# KiCad board 4servoboard-4x4.kicad_pcb (continued)
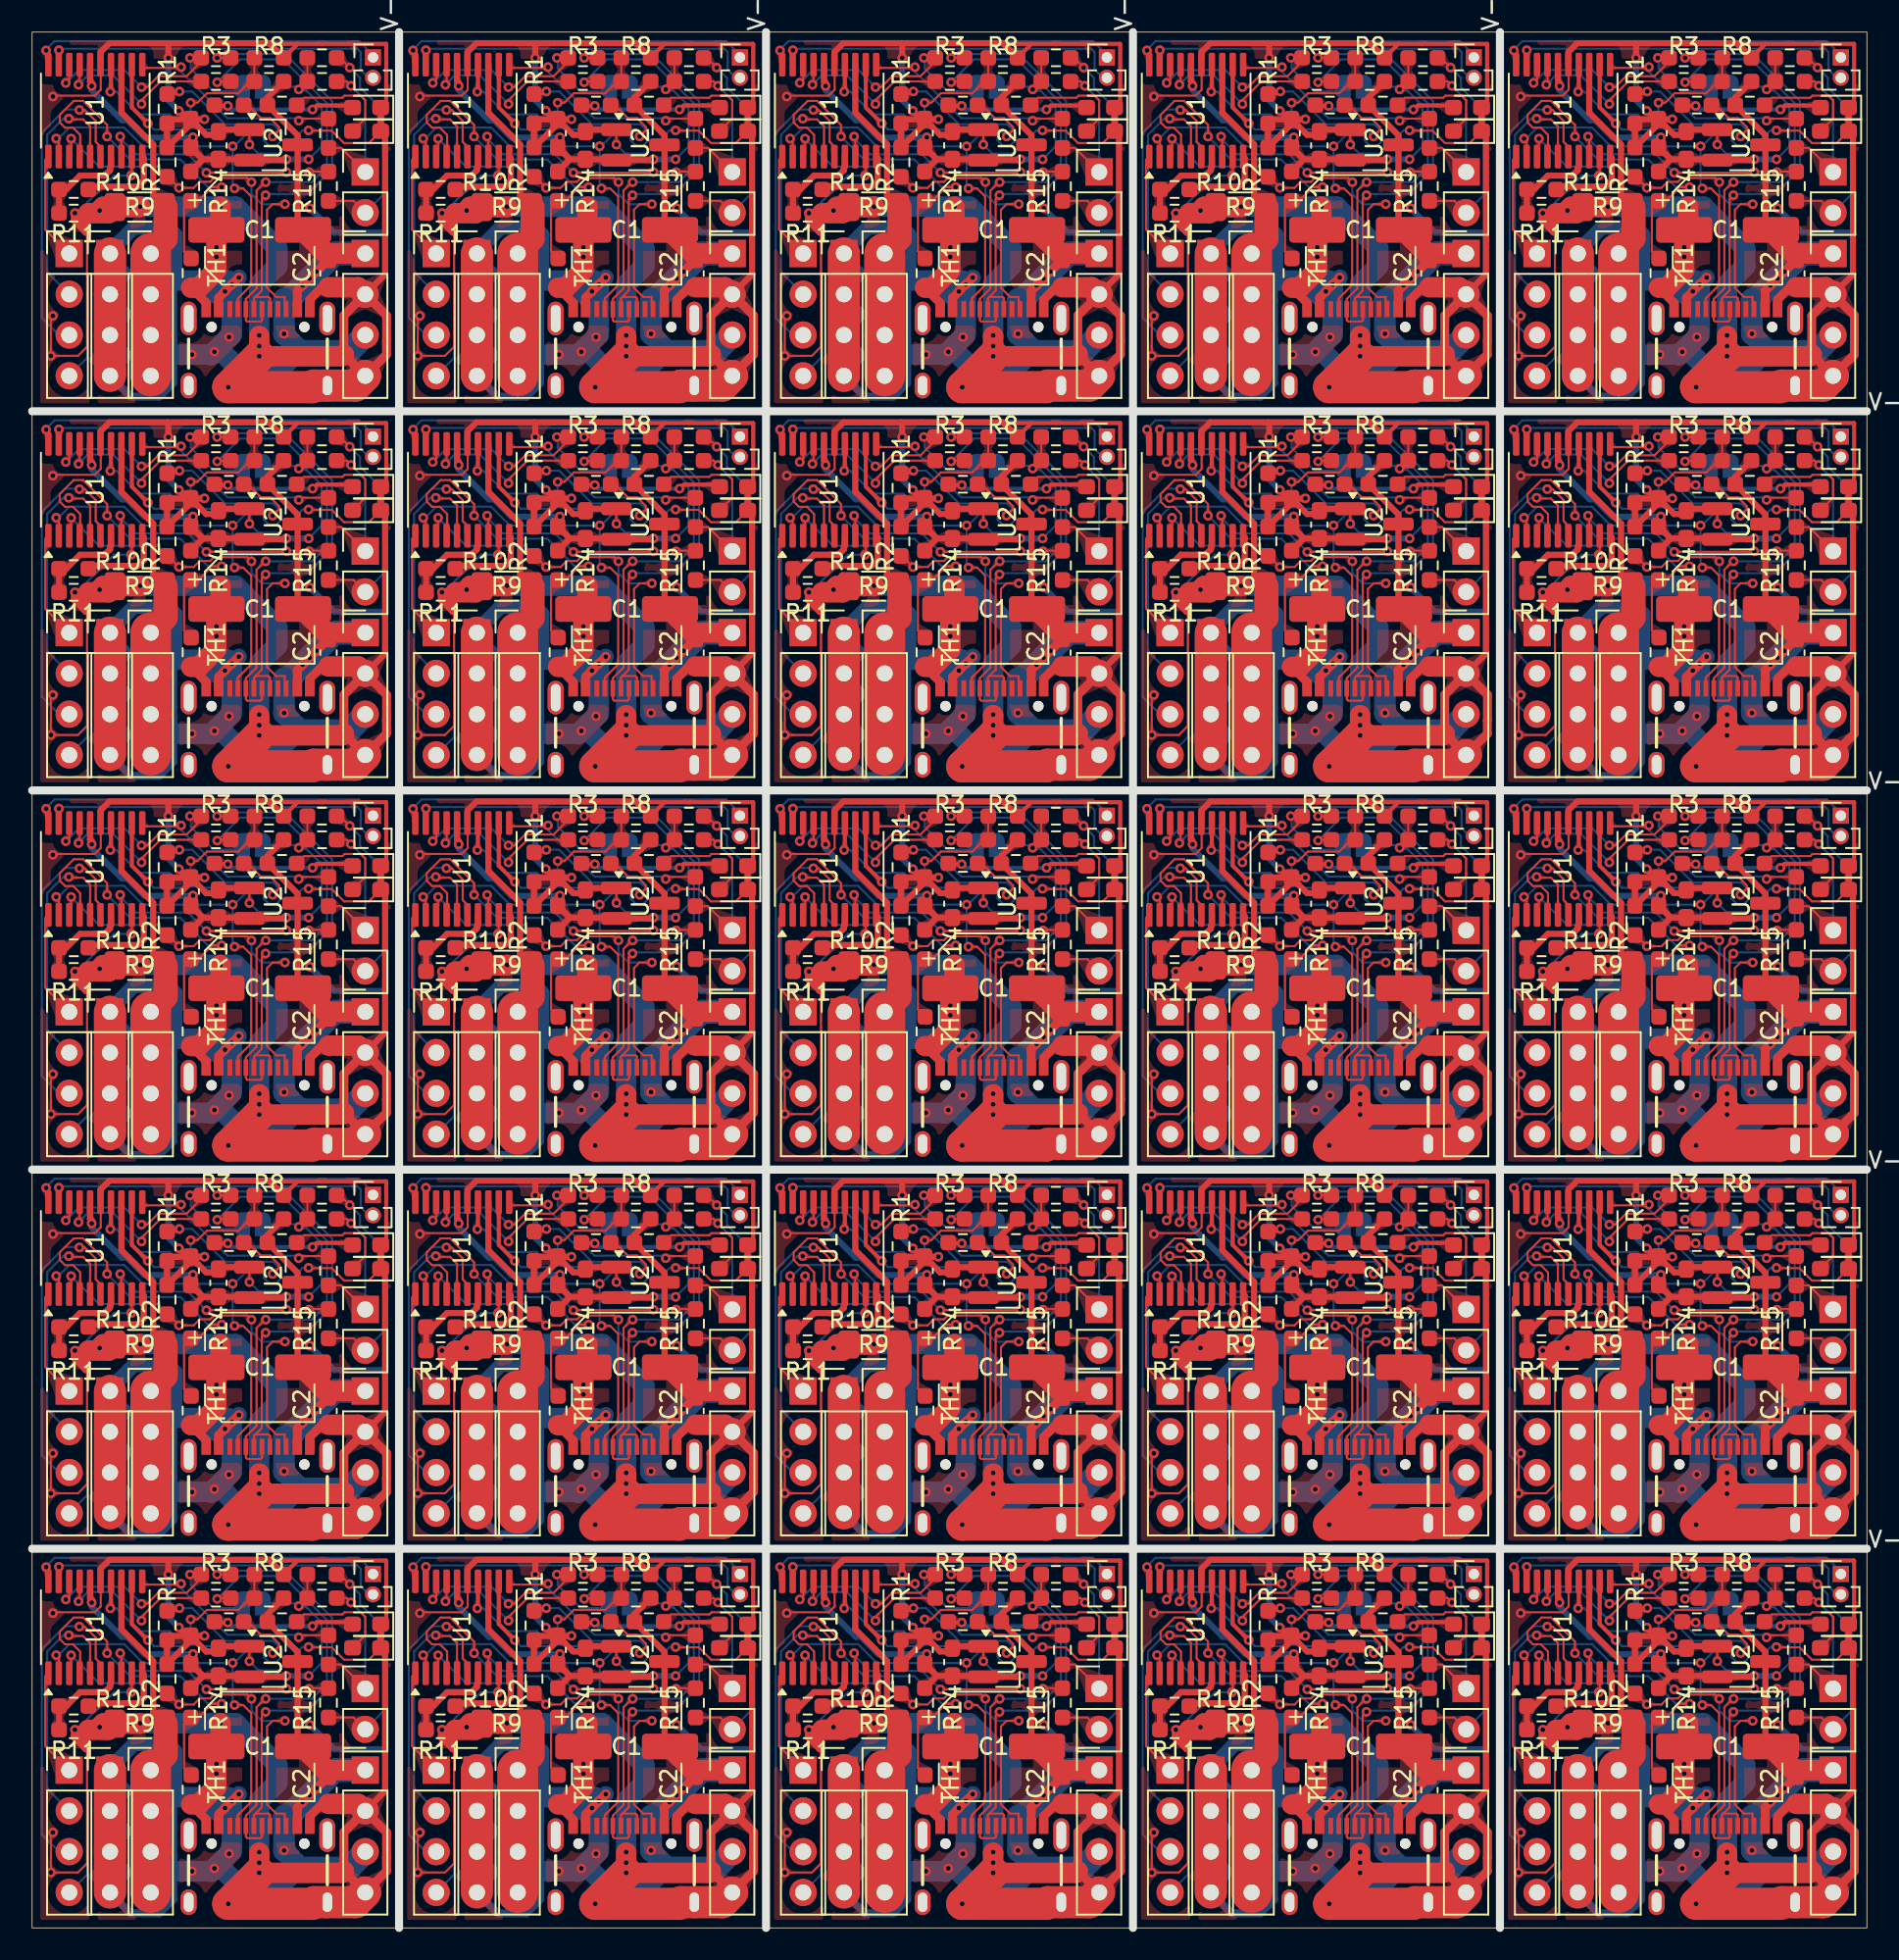
[diagram p0: board, top side]
## Routing (per net, layer and track width the routed paths; a pad name or vN(x,y) marks a point on that pad's centre or on a via; arc(x,y) is an arc through that point) (continued)
CC1: length 925.1
  Top w0.127: v1(32.04,19.92) 31.88,19.76 R1#2.2 ; v1(100.62,114.41) 100.46,114.25 R1#18.2 ; R1#20.2 77.6,90.63 v1(77.76,90.79) ; U1#22.2 47.38,40.45 v1(47.22,40.61) ; v1(9.18,90.79) 9.02,90.63 R1.2 ; U1#3.2 70.24,64.07 v1(70.08,64.24) ; J1#9.A5 35.68,30.65 35.77,30.74 35.77,30.74 35.77,30.74 36.51,31.48 36.51,37.01 36.01,37.51 v1(35.47,37.51) ; v1(104.05,61.13) 104.59,61.13 105.09,60.63 105.09,55.1 104.35,54.36 104.35,54.36 104.35,54.36 104.26,54.27 J1#10.A5 ; U1#9.2 47.38,16.83 v1(47.22,16.99) ; v1(81.19,108.37) 81.73,108.37 82.23,107.87 82.23,102.35 81.49,101.61 81.49,101.61 81.49,101.6 81.4,101.52 J1#6.A5 ; J1#18.A5 35.68,77.9 35.77,77.98 35.77,77.99 35.77,77.99 36.51,78.73 36.51,84.25 36.01,84.75 v1(35.47,84.75) ; J1#3.A5 81.4,54.27 81.49,54.36 81.49,54.36 81.49,54.36 82.23,55.1 82.23,60.63 81.73,61.13 v1(81.19,61.13) ; R1#21.2 9.02,114.25 v1(9.18,114.41) ; U1#23.2 24.52,40.45 v1(24.36,40.61) ; R1#4.2 54.74,90.63 v1(54.9,90.79) ; U1#10.2 47.38,87.7 v1(47.22,87.86) ; v1(92.94,64.24) 93.1,64.07 U1#11.2 ; R1#7.2 54.74,114.25 v1(54.9,114.41) ; v1(24.36,16.99) 24.52,16.83 U1#19.2 ; v1(58.33,108.37) 58.87,108.37 59.37,107.87 59.37,102.35 58.63,101.61 58.63,101.61 58.63,101.6 58.54,101.52 J1#11.A5 ; v1(9.18,19.92) 9.02,19.76 R1#25.2 ; v1(58.33,84.75) 58.87,84.75 59.37,84.25 59.37,78.73 58.63,77.99 58.63,77.99 58.63,77.98 58.54,77.9 J1#24.A5 ; J1#17.A5 12.82,77.9 12.91,77.98 12.91,77.99 12.91,77.99 13.65,78.73 13.65,84.25 13.15,84.75 v1(12.61,84.75) ; v1(70.08,40.61) 70.24,40.45 U1#17.2 ; R1#14.2 77.6,43.38 v1(77.76,43.54) ; U1#12.2 93.1,40.45 v1(92.94,40.61) ; v1(35.47,108.37) 36.01,108.37 36.51,107.87 36.51,102.35 35.77,101.61 35.77,101.61 35.77,101.6 35.68,101.52 J1#13.A5 ; J1#2.A5 35.68,7.03 35.77,7.12 35.77,7.12 35.77,7.12 36.51,7.86 36.51,13.38 36.01,13.89 v1(35.47,13.89) ; v1(70.08,111.48) 70.24,111.32 U1#16.2 ; J1#5.A5 81.4,30.65 81.49,30.74 81.49,30.74 81.49,30.74 82.23,31.48 82.23,37.01 81.73,37.51 v1(81.19,37.51) ; v1(32.04,114.41) 31.88,114.25 R1#24.2 ; v1(12.61,108.37) 13.15,108.37 13.65,107.87 13.65,102.35 12.91,101.61 12.91,101.61 12.91,101.6 12.82,101.52 J1#8.A5 ; v1(54.9,67.17) 54.74,67 R1#22.2 ; v1(1.5,64.24) 1.66,64.07 U1#6.2 ; v1(1.5,40.61) 1.66,40.45 U1#8.2 ; U1#7.2 1.66,87.7 v1(1.5,87.86) ; v1(54.9,19.92) 54.74,19.76 R1#6.2 ; v1(1.5,111.48) 1.66,111.32 U1#20.2 ; U1#15.2 1.66,16.83 v1(1.5,16.99) ; v1(47.22,64.24) 47.38,64.07 U1#25.2 ; U1#4.2 93.1,16.83 v1(92.94,16.99) ; J1#23.A5 104.26,77.9 104.35,77.98 104.35,77.99 104.35,77.99 105.09,78.73 105.09,84.25 104.59,84.75 v1(104.05,84.75) ; U1#21.2 47.38,111.32 v1(47.22,111.48) ; R1#10.2 9.02,43.38 v1(9.18,43.54) ; J1#4.A5 81.4,77.9 81.49,77.98 81.49,77.99 81.49,77.99 82.23,78.73 82.23,84.25 81.73,84.75 v1(81.19,84.75) ; R1#17.2 77.6,67 v1(77.76,67.17) ; J1#16.A5 12.82,7.03 12.91,7.12 12.91,7.12 12.91,7.12 13.65,7.86 13.65,13.38 13.15,13.89 v1(12.61,13.89) ; U1#14.2 24.52,64.07 v1(24.36,64.24) ; v1(12.61,37.51) 13.15,37.51 13.65,37.01 13.65,31.48 12.91,30.74 12.91,30.74 12.91,30.74 12.82,30.65 J1#7.A5 ; v1(24.36,87.86) 24.52,87.7 U1.2 ; v1(32.04,90.79) 31.88,90.63 R1#19.2 ; J1#19.A5 12.82,54.27 12.91,54.36 12.91,54.36 12.91,54.36 13.65,55.1 13.65,60.63 13.15,61.13 v1(12.61,61.13) ; v1(81.19,13.89) 81.73,13.89 82.23,13.38 82.23,7.86 81.49,7.12 81.49,7.12 81.49,7.12 81.4,7.03 J1.A5 ; U1#2.2 70.24,16.83 v1(70.08,16.99) ; v1(100.62,19.92) 100.46,19.76 R1#13.2 ; J1#22.A5 58.54,54.27 58.63,54.36 58.63,54.36 58.63,54.36 59.37,55.1 59.37,60.63 58.87,61.13 v1(58.33,61.13) ; R1#15.2 77.6,19.76 v1(77.76,19.92) ; R1#23.2 77.6,114.25 v1(77.76,114.41) ; U1#24.2 24.52,111.32 v1(24.36,111.48) ; v1(92.94,111.48) 93.1,111.32 U1#13.2 ; J1#15.A5 58.54,7.03 58.63,7.12 58.63,7.12 58.63,7.12 59.37,7.86 59.37,13.38 58.87,13.89 v1(58.33,13.89) ; v1(104.05,108.37) 104.59,108.37 105.09,107.87 105.09,102.35 104.35,101.61 104.35,101.61 104.35,101.6 104.26,101.52 J1#25.A5 ; v1(54.9,43.54) 54.74,43.38 R1#5.2 ; R1#11.2 100.46,43.38 v1(100.62,43.54) ; v1(92.94,87.86) 93.1,87.7 U1#5.2 ; U1#18.2 70.24,87.7 v1(70.08,87.86) ; v1(9.18,67.17) 9.02,67 R1#9.2 ; J1#20.A5 58.54,30.65 58.63,30.74 58.63,30.74 58.63,30.74 59.37,31.48 59.37,37.01 58.87,37.51 v1(58.33,37.51) ; v1(104.05,37.51) 104.59,37.51 105.09,37.01 105.09,31.48 104.35,30.74 104.35,30.74 104.35,30.74 104.26,30.65 J1#14.A5 ; v1(100.62,90.79) 100.46,90.63 R1#8.2 ; J1#21.A5 104.26,7.03 104.35,7.12 104.35,7.12 104.35,7.12 105.09,7.86 105.09,13.38 104.59,13.89 v1(104.05,13.89) ; J1#12.A5 35.68,54.27 35.77,54.36 35.77,54.36 35.77,54.36 36.51,55.1 36.51,60.63 36.01,61.13 v1(35.47,61.13) ; v1(32.04,43.54) 31.88,43.38 R1#12.2 ; v1(100.62,67.17) 100.46,67 R1#16.2 ; v1(32.04,67.17) 31.88,67 R1#3.2
  Bottom w0.127: v1(24.36,16.99) 24.58,16.99 24.58,17.07 25.18,17.67 25.38,17.67 25.39,17.68 28.59,17.68 29.77,16.5 35.14,16.5 35.14,16.51 v1(35.36,16.51) ; v1(70.08,16.99) 70.3,16.99 70.3,17.07 70.9,17.67 71.1,17.67 71.11,17.68 74.31,17.68 75.49,16.5 80.86,16.5 80.86,16.51 v1(81.08,16.51) ; v1(12.61,84.75) 12.5,84.86 v1(12.5,87.38) ; v1(58.22,87.38) 58.22,84.86 v1(58.33,84.75) ; v1(58.22,87.38) 58,87.38 58,87.37 52.63,87.37 51.45,88.54 48.25,88.54 48.24,88.53 48.04,88.53 47.44,87.94 47.44,87.86 v1(47.22,87.86) ; v1(58.22,87.38) 58.31,87.38 59.02,88.09 60.14,88.09 60.14,88.09 60.14,87.75 60.47,87.42 60.94,87.42 61.27,87.75 61.27,88.22 60.74,88.75 57.74,88.75 55.7,90.79 v1(54.9,90.79) ; v1(12.5,111) 12.5,108.48 v1(12.61,108.37) ; v1(12.5,111) 12.28,111 12.28,110.99 6.91,110.99 5.73,112.17 2.53,112.17 2.52,112.16 2.32,112.16 1.72,111.56 1.72,111.48 v1(1.5,111.48) ; v1(12.5,111) 12.59,111 13.3,111.71 14.42,111.71 14.42,111.71 14.42,111.37 14.75,111.04 15.22,111.04 15.55,111.37 15.55,111.84 15.02,112.37 12.02,112.37 9.98,114.41 v1(9.18,114.41) ; v1(47.22,40.61) 47.44,40.61 47.44,40.7 48.04,41.29 48.24,41.29 48.25,41.3 51.45,41.3 52.63,40.13 58,40.13 58,40.13 v1(58.22,40.13) ; v1(77.76,114.41) 78.56,114.41 80.6,112.37 83.6,112.37 84.13,111.84 84.13,111.37 83.8,111.04 83.33,111.04 83,111.37 83,111.71 83,111.71 81.88,111.71 81.17,111 v1(81.08,111) ; v1(12.5,87.38) 12.28,87.38 12.28,87.37 6.91,87.37 5.73,88.54 2.53,88.54 2.52,88.53 2.32,88.53 1.72,87.94 1.72,87.86 v1(1.5,87.86) ; v1(12.5,87.38) 12.59,87.38 13.3,88.09 14.42,88.09 14.42,88.09 14.42,87.75 14.75,87.42 15.22,87.42 15.55,87.75 15.55,88.22 15.02,88.75 12.02,88.75 9.98,90.79 v1(9.18,90.79) ; v1(81.08,63.75) 80.86,63.75 80.86,63.75 75.49,63.75 74.31,64.92 71.11,64.92 71.1,64.91 70.9,64.91 70.3,64.32 70.3,64.24 v1(70.08,64.24) ; v1(81.08,63.75) 81.08,61.24 v1(81.19,61.13) ; v1(81.08,63.75) 81.17,63.75 81.88,64.47 83,64.47 83,64.46 83,64.13 83.33,63.8 83.8,63.8 84.13,64.13 84.13,64.6 83.6,65.12 80.6,65.12 78.56,67.17 v1(77.76,67.17) ; v1(81.08,111) 80.86,111 80.86,110.99 75.49,110.99 74.31,112.17 71.11,112.17 71.1,112.16 70.9,112.16 70.3,111.56 70.3,111.48 v1(70.08,111.48) ; v1(81.08,111) 81.08,108.48 v1(81.19,108.37) ; v1(58.22,63.75) 58.22,61.24 v1(58.33,61.13) ; v1(58.22,63.75) 58,63.75 58,63.75 52.63,63.75 51.45,64.92 48.25,64.92 48.24,64.91 48.04,64.91 47.44,64.32 47.44,64.24 v1(47.22,64.24) ; v1(58.22,63.75) 58.31,63.75 59.02,64.47 60.14,64.47 60.14,64.46 60.14,64.13 60.47,63.8 60.94,63.8 61.27,64.13 61.27,64.6 60.74,65.12 57.74,65.12 55.7,67.17 v1(54.9,67.17) ; v1(58.22,40.13) 58.22,37.62 v1(58.33,37.51) ; v1(58.22,40.13) 58.31,40.13 59.02,40.85 60.14,40.85 60.14,40.84 60.14,40.51 60.47,40.18 60.94,40.18 61.27,40.51 61.27,40.98 60.74,41.5 57.74,41.5 55.7,43.54 v1(54.9,43.54) ; v1(32.04,19.92) 32.84,19.92 34.88,17.88 37.88,17.88 38.41,17.35 38.41,16.89 38.08,16.56 37.61,16.56 37.28,16.89 37.28,17.22 37.28,17.22 36.16,17.22 35.45,16.51 v1(35.36,16.51) ; v1(35.36,16.51) 35.36,14 v1(35.47,13.89) ; v1(100.62,43.54) 101.42,43.54 103.46,41.5 106.46,41.5 106.99,40.98 106.99,40.51 106.66,40.18 106.19,40.18 105.86,40.51 105.86,40.84 105.86,40.85 104.74,40.85 104.03,40.13 v1(103.94,40.13) ; v1(103.94,87.38) 103.72,87.38 103.72,87.37 98.35,87.37 97.17,88.54 93.97,88.54 93.96,88.53 93.76,88.53 93.16,87.94 93.16,87.86 v1(92.94,87.86) ; v1(103.94,87.38) 104.03,87.38 104.74,88.09 105.86,88.09 105.86,88.09 105.86,87.75 106.19,87.42 106.66,87.42 106.99,87.75 106.99,88.22 106.46,88.75 103.46,88.75 101.42,90.79 v1(100.62,90.79) ; v1(103.94,87.38) 103.94,84.86 v1(104.05,84.75) ; v1(35.47,61.13) 35.36,61.24 v1(35.36,63.75) ; v1(100.62,19.92) 101.42,19.92 103.46,17.88 106.46,17.88 106.99,17.35 106.99,16.89 106.66,16.56 106.19,16.56 105.86,16.89 105.86,17.22 105.86,17.22 104.74,17.22 104.03,16.51 v1(103.94,16.51) ; v1(77.76,19.92) 78.56,19.92 80.6,17.88 83.6,17.88 84.13,17.35 84.13,16.89 83.8,16.56 83.33,16.56 83,16.89 83,17.22 83,17.22 81.88,17.22 81.17,16.51 v1(81.08,16.51) ; v1(35.36,40.13) 35.14,40.13 35.14,40.13 29.77,40.13 28.59,41.3 25.39,41.3 25.38,41.29 25.18,41.29 24.58,40.7 24.58,40.61 v1(24.36,40.61) ; v1(35.36,40.13) 35.36,37.62 v1(35.47,37.51) ; v1(35.36,40.13) 35.45,40.13 36.16,40.85 37.28,40.85 37.28,40.84 37.28,40.51 37.61,40.18 38.08,40.18 38.41,40.51 38.41,40.98 37.88,41.5 34.88,41.5 32.84,43.54 v1(32.04,43.54) ; v1(92.94,64.24) 93.16,64.24 93.16,64.32 93.76,64.91 93.96,64.91 93.97,64.92 97.17,64.92 98.35,63.75 103.72,63.75 103.72,63.75 v1(103.94,63.75) ; v1(81.08,40.13) 81.17,40.13 81.88,40.85 83,40.85 83,40.84 83,40.51 83.33,40.18 83.8,40.18 84.13,40.51 84.13,40.98 83.6,41.5 80.6,41.5 78.56,43.54 v1(77.76,43.54) ; v1(81.08,40.13) 81.08,37.62 v1(81.19,37.51) ; v1(81.08,40.13) 80.86,40.13 80.86,40.13 75.49,40.13 74.31,41.3 71.11,41.3 71.1,41.29 70.9,41.29 70.3,40.7 70.3,40.61 v1(70.08,40.61) ; v1(58.33,13.89) 58.22,14 v1(58.22,16.51) ; v1(9.18,67.17) 9.98,67.17 12.02,65.12 15.02,65.12 15.55,64.6 15.55,64.13 15.22,63.8 14.75,63.8 14.42,64.13 14.42,64.46 14.42,64.47 13.3,64.47 12.59,63.75 v1(12.5,63.75) ; v1(103.94,63.75) 104.03,63.75 104.74,64.47 105.86,64.47 105.86,64.46 105.86,64.13 106.19,63.8 106.66,63.8 106.99,64.13 106.99,64.6 106.46,65.12 103.46,65.12 101.42,67.17 v1(100.62,67.17) ; v1(103.94,63.75) 103.94,61.24 v1(104.05,61.13) ; v1(58.22,16.51) 58.31,16.51 59.02,17.22 60.14,17.22 60.14,17.22 60.14,16.89 60.47,16.56 60.94,16.56 61.27,16.89 61.27,17.35 60.74,17.88 57.74,17.88 55.7,19.92 v1(54.9,19.92) ; v1(58.22,16.51) 58,16.51 58,16.5 52.63,16.5 51.45,17.68 48.25,17.68 48.24,17.67 48.04,17.67 47.44,17.07 47.44,16.99 v1(47.22,16.99) ; v1(58.22,111) 58.22,108.48 v1(58.33,108.37) ; v1(58.22,111) 58.31,111 59.02,111.71 60.14,111.71 60.14,111.71 60.14,111.37 60.47,111.04 60.94,111.04 61.27,111.37 61.27,111.84 60.74,112.37 57.74,112.37 55.7,114.41 v1(54.9,114.41) ; v1(58.22,111) 58,111 58,110.99 52.63,110.99 51.45,112.17 48.25,112.17 48.24,112.16 48.04,112.16 47.44,111.56 47.44,111.48 v1(47.22,111.48) ; v1(103.94,16.51) 103.94,14 v1(104.05,13.89) ; v1(103.94,16.51) 103.72,16.51 103.72,16.5 98.35,16.5 97.17,17.68 93.97,17.68 93.96,17.67 93.76,17.67 93.16,17.07 93.16,16.99 v1(92.94,16.99) ; v1(12.61,13.89) 12.5,14 v1(12.5,16.51) ; v1(12.61,37.51) 12.5,37.62 v1(12.5,40.13) ; v1(12.5,63.75) 12.28,63.75 12.28,63.75 6.91,63.75 5.73,64.92 2.53,64.92 2.52,64.91 2.32,64.91 1.72,64.32 1.72,64.24 v1(1.5,64.24) ; v1(12.5,63.75) 12.5,61.24 v1(12.61,61.13) ; v1(81.08,16.51) 81.08,14 v1(81.19,13.89) ; v1(103.94,111) 104.03,111 104.74,111.71 105.86,111.71 105.86,111.71 105.86,111.37 106.19,111.04 106.66,111.04 106.99,111.37 106.99,111.84 106.46,112.37 103.46,112.37 101.42,114.41 v1(100.62,114.41) ; v1(103.94,111) 103.94,108.48 v1(104.05,108.37) ; v1(103.94,111) 103.72,111 103.72,110.99 98.35,110.99 97.17,112.17 93.97,112.17 93.96,112.16 93.76,112.16 93.16,111.56 93.16,111.48 v1(92.94,111.48) ; v1(9.18,43.54) 9.98,43.54 12.02,41.5 15.02,41.5 15.55,40.98 15.55,40.51 15.22,40.18 14.75,40.18 14.42,40.51 14.42,40.84 14.42,40.85 13.3,40.85 12.59,40.13 v1(12.5,40.13) ; v1(32.04,90.79) 32.84,90.79 34.88,88.75 37.88,88.75 38.41,88.22 38.41,87.75 38.08,87.42 37.61,87.42 37.28,87.75 37.28,88.09 37.28,88.09 36.16,88.09 35.45,87.38 v1(35.36,87.38) ; v1(32.04,114.41) 32.84,114.41 34.88,112.37 37.88,112.37 38.41,111.84 38.41,111.37 38.08,111.04 37.61,111.04 37.28,111.37 37.28,111.71 37.28,111.71 36.16,111.71 35.45,111 v1(35.36,111) ; v1(1.5,16.99) 1.72,16.99 1.72,17.07 2.32,17.67 2.52,17.67 2.53,17.68 5.73,17.68 6.91,16.5 12.28,16.5 12.28,16.51 v1(12.5,16.51) ; v1(35.36,63.75) 35.14,63.75 35.14,63.75 29.77,63.75 28.59,64.92 25.39,64.92 25.38,64.91 25.18,64.91 24.58,64.32 24.58,64.24 v1(24.36,64.24) ; v1(35.36,63.75) 35.45,63.75 36.16,64.47 37.28,64.47 37.28,64.46 37.28,64.13 37.61,63.8 38.08,63.8 38.41,64.13 38.41,64.6 37.88,65.12 34.88,65.12 32.84,67.17 v1(32.04,67.17) ; v1(12.5,40.13) 12.28,40.13 12.28,40.13 6.91,40.13 5.73,41.3 2.53,41.3 2.52,41.29 2.32,41.29 1.72,40.7 1.72,40.61 v1(1.5,40.61) ; v1(70.08,87.86) 70.3,87.86 70.3,87.94 70.9,88.53 71.1,88.53 71.11,88.54 74.31,88.54 75.49,87.37 80.86,87.37 80.86,87.38 v1(81.08,87.38) ; v1(81.08,87.38) 81.08,84.86 v1(81.19,84.75) ; v1(81.08,87.38) 81.17,87.38 81.88,88.09 83,88.09 83,88.09 83,87.75 83.33,87.42 83.8,87.42 84.13,87.75 84.13,88.22 83.6,88.75 80.6,88.75 78.56,90.79 v1(77.76,90.79) ; v1(35.36,111) 35.36,108.48 v1(35.47,108.37) ; v1(35.36,111) 35.14,111 35.14,110.99 29.77,110.99 28.59,112.17 25.39,112.17 25.38,112.16 25.18,112.16 24.58,111.56 24.58,111.48 v1(24.36,111.48) ; v1(103.94,40.13) 103.94,37.62 v1(104.05,37.51) ; v1(103.94,40.13) 103.72,40.13 103.72,40.13 98.35,40.13 97.17,41.3 93.97,41.3 93.96,41.29 93.76,41.29 93.16,40.7 93.16,40.61 v1(92.94,40.61) ; v1(35.36,87.38) 35.36,84.86 v1(35.47,84.75) ; v1(35.36,87.38) 35.14,87.38 35.14,87.37 29.77,87.37 28.59,88.54 25.39,88.54 25.38,88.53 25.18,88.53 24.58,87.94 24.58,87.86 v1(24.36,87.86) ; v1(12.5,16.51) 12.59,16.51 13.3,17.22 14.42,17.22 14.42,17.22 14.42,16.89 14.75,16.56 15.22,16.56 15.55,16.89 15.55,17.35 15.02,17.88 12.02,17.88 9.98,19.92 v1(9.18,19.92)
CC2: length 660.2
  Top w0.127: v1(93.87,111.47) 93.87,110.47 U1#13.3 ; v1(25.29,64.23) 25.29,63.23 U1#14.3 ; R2#12.2 31.32,85.47 v1(32.01,84.78) 32.93,84.78 33.3,85.16 33.95,85.16 34.18,85.4 36.27,85.4 v1(36.53,85.14) ; v1(105.11,14.27) 104.85,14.53 102.76,14.53 102.53,14.3 101.88,14.3 101.51,13.92 v1(100.59,13.92) 99.9,14.61 R2#15.2 ; v1(2.43,16.99) 2.43,15.98 U1#15.3 ; v1(105.11,37.9) 104.85,38.15 102.76,38.15 102.53,37.92 101.88,37.92 101.51,37.54 v1(100.59,37.54) 99.9,38.23 R2#23.2 ; R2#10.2 31.32,109.1 v1(32.01,108.41) 32.93,108.41 33.3,108.78 33.95,108.78 34.18,109.02 36.27,109.02 v1(36.53,108.76) ; J1.B5 84.4,6.51 84.32,6.59 84.32,7.12 83.79,7.12 83.22,7.69 83.22,12.55 83.57,12.9 v1(84.33,12.9) ; v1(59.39,14.27) 59.13,14.53 57.04,14.53 56.81,14.3 56.16,14.3 55.79,13.92 v1(54.87,13.92) 54.18,14.61 R2#16.2 ; v1(105.11,85.14) 104.85,85.4 102.76,85.4 102.53,85.16 101.88,85.16 101.51,84.78 v1(100.59,84.78) 99.9,85.47 R2#25.2 ; R2#24.2 54.18,109.1 v1(54.87,108.41) 55.79,108.41 56.16,108.78 56.81,108.78 57.04,109.02 59.13,109.02 v1(59.39,108.76) ; v1(38.61,107.39) 37.85,107.39 37.5,107.04 37.5,102.18 38.07,101.61 38.6,101.61 38.6,101.08 38.68,100.99 J1#13.B5 ; R2#17.2 31.32,38.23 v1(32.01,37.54) 32.93,37.54 33.3,37.92 33.95,37.92 34.18,38.15 36.27,38.15 v1(36.53,37.9) ; J1#5.B5 84.4,30.13 84.32,30.21 84.32,30.74 83.79,30.74 83.22,31.31 83.22,36.17 83.57,36.53 v1(84.33,36.53) ; U1#12.3 93.87,39.61 v1(93.87,40.61) ; J1#18.B5 38.68,77.37 38.6,77.46 38.6,77.99 38.07,77.99 37.5,78.56 37.5,83.42 37.85,83.77 v1(38.61,83.77) ; v1(25.29,16.99) 25.29,15.98 U1#19.3 ; J1#11.B5 61.54,100.99 61.46,101.08 61.46,101.61 60.93,101.61 60.36,102.18 60.36,107.04 60.71,107.39 v1(61.47,107.39) ; U1#22.3 48.15,39.61 v1(48.15,40.61) ; v1(48.15,16.99) 48.15,15.98 U1#9.3 ; v1(25.29,40.61) 25.29,39.61 U1#23.3 ; v1(15.75,12.9) 14.99,12.9 14.64,12.55 14.64,7.69 15.21,7.12 15.74,7.12 15.74,6.59 15.82,6.51 J1#16.B5 ; J1#25.B5 107.26,100.99 107.18,101.08 107.18,101.61 106.65,101.61 106.08,102.18 106.08,107.04 106.43,107.39 v1(107.19,107.39) ; J1#22.B5 61.54,53.75 61.46,53.83 61.46,54.36 60.93,54.36 60.36,54.94 60.36,59.8 60.71,60.15 v1(61.47,60.15) ; v1(82.25,14.27) 81.99,14.53 79.9,14.53 79.67,14.3 79.02,14.3 78.65,13.92 v1(77.73,13.92) 77.04,14.61 R2#14.2 ; U1#8.3 2.43,39.61 v1(2.43,40.61) ; v1(84.33,60.15) 83.57,60.15 83.22,59.8 83.22,54.94 83.79,54.36 84.32,54.36 84.32,53.83 84.4,53.75 J1#3.B5 ; U1#18.3 71.01,86.85 v1(71.01,87.85) ; v1(13.67,61.52) 13.41,61.78 11.32,61.78 11.09,61.54 10.44,61.54 10.07,61.16 v1(9.15,61.16) 8.46,61.85 R2#18.2 ; R2#3.2 54.18,85.47 v1(54.87,84.78) 55.79,84.78 56.16,85.16 56.81,85.16 57.04,85.4 59.13,85.4 v1(59.39,85.14) ; v1(61.47,83.77) 60.71,83.77 60.36,83.42 60.36,78.56 60.93,77.99 61.46,77.99 61.46,77.46 61.54,77.37 J1#24.B5 ; v1(48.15,87.85) 48.15,86.85 U1#10.3 ; R2#5.2 54.18,38.23 v1(54.87,37.54) 55.79,37.54 56.16,37.92 56.81,37.92 57.04,38.15 59.13,38.15 v1(59.39,37.9) ; J1#8.B5 15.82,100.99 15.74,101.08 15.74,101.61 15.21,101.61 14.64,102.18 14.64,107.04 14.99,107.39 v1(15.75,107.39) ; R2#4.2 77.04,109.1 v1(77.73,108.41) 78.65,108.41 79.02,108.78 79.67,108.78 79.9,109.02 81.99,109.02 v1(82.25,108.76) ; v1(48.15,64.23) 48.15,63.23 U1#25.3 ; v1(13.67,14.27) 13.41,14.53 11.32,14.53 11.09,14.3 10.44,14.3 10.07,13.92 v1(9.15,13.92) 8.46,14.61 R2#19.2 ; U1#4.3 93.87,15.98 v1(93.87,16.99) ; v1(38.61,12.9) 37.85,12.9 37.5,12.55 37.5,7.69 38.07,7.12 38.6,7.12 38.6,6.59 38.68,6.51 J1#2.B5 ; v1(2.43,87.85) 2.43,86.85 U1#7.3 ; v1(93.87,87.85) 93.87,86.85 U1#5.3 ; v1(13.67,37.9) 13.41,38.15 11.32,38.15 11.09,37.92 10.44,37.92 10.07,37.54 v1(9.15,37.54) 8.46,38.23 R2#20.2 ; v1(105.11,108.76) 104.85,109.02 102.76,109.02 102.53,108.78 101.88,108.78 101.51,108.41 v1(100.59,108.41) 99.9,109.1 R2#13.2 ; v1(25.29,87.85) 25.29,86.85 U1.3 ; v1(71.01,40.61) 71.01,39.61 U1#17.3 ; U1#21.3 48.15,110.47 v1(48.15,111.47) ; v1(107.19,60.15) 106.43,60.15 106.08,59.8 106.08,54.94 106.65,54.36 107.18,54.36 107.18,53.83 107.26,53.75 J1#10.B5 ; J1#17.B5 15.82,77.37 15.74,77.46 15.74,77.99 15.21,77.99 14.64,78.56 14.64,83.42 14.99,83.77 v1(15.75,83.77) ; v1(71.01,111.47) 71.01,110.47 U1#16.3 ; J1#12.B5 38.68,53.75 38.6,53.83 38.6,54.36 38.07,54.36 37.5,54.94 37.5,59.8 37.85,60.15 v1(38.61,60.15) ; J1#21.B5 107.26,6.51 107.18,6.59 107.18,7.12 106.65,7.12 106.08,7.69 106.08,12.55 106.43,12.9 v1(107.19,12.9) ; v1(105.11,61.52) 104.85,61.78 102.76,61.78 102.53,61.54 101.88,61.54 101.51,61.16 v1(100.59,61.16) 99.9,61.85 R2#9.2 ; R2#11.2 31.32,61.85 v1(32.01,61.16) 32.93,61.16 33.3,61.54 33.95,61.54 34.18,61.78 36.27,61.78 v1(36.53,61.52) ; v1(71.01,16.99) 71.01,15.98 U1#2.3 ; J1#14.B5 107.26,30.13 107.18,30.21 107.18,30.74 106.65,30.74 106.08,31.31 106.08,36.17 106.43,36.53 v1(107.19,36.53) ; v1(107.19,83.77) 106.43,83.77 106.08,83.42 106.08,78.56 106.65,77.99 107.18,77.99 107.18,77.46 107.26,77.37 J1#23.B5 ; R2.2 77.04,38.23 v1(77.73,37.54) 78.65,37.54 79.02,37.92 79.67,37.92 79.9,38.15 81.99,38.15 v1(82.25,37.9) ; J1#20.B5 61.54,30.13 61.46,30.21 61.46,30.74 60.93,30.74 60.36,31.31 60.36,36.17 60.71,36.53 v1(61.47,36.53) ; J1#15.B5 61.54,6.51 61.46,6.59 61.46,7.12 60.93,7.12 60.36,7.69 60.36,12.55 60.71,12.9 v1(61.47,12.9) ; v1(38.61,36.53) 37.85,36.53 37.5,36.17 37.5,31.31 38.07,30.74 38.6,30.74 38.6,30.21 38.68,30.13 J1#9.B5 ; R2#22.2 54.18,61.85 v1(54.87,61.16) 55.79,61.16 56.16,61.54 56.81,61.54 57.04,61.78 59.13,61.78 v1(59.39,61.52) ; v1(25.29,111.47) 25.29,110.47 U1#24.3 ; J1#6.B5 84.4,100.99 84.32,101.08 84.32,101.61 83.79,101.61 83.22,102.18 83.22,107.04 83.57,107.39 v1(84.33,107.39) ; J1#7.B5 15.82,30.13 15.74,30.21 15.74,30.74 15.21,30.74 14.64,31.31 14.64,36.17 14.99,36.53 v1(15.75,36.53) ; R2#2.2 8.46,85.47 v1(9.15,84.78) 10.07,84.78 10.44,85.16 11.09,85.16 11.32,85.4 13.41,85.4 v1(13.67,85.14) ; U1#6.3 2.43,63.23 v1(2.43,64.23) ; U1#20.3 2.43,110.47 v1(2.43,111.47) ; v1(13.67,108.76) 13.41,109.02 11.32,109.02 11.09,108.78 10.44,108.78 10.07,108.41 v1(9.15,108.41) 8.46,109.1 R2#7.2 ; v1(82.25,85.14) 81.99,85.4 79.9,85.4 79.67,85.16 79.02,85.16 78.65,84.78 v1(77.73,84.78) 77.04,85.47 R2#21.2 ; v1(71.01,64.23) 71.01,63.23 U1#3.3 ; v1(82.25,61.52) 81.99,61.78 79.9,61.78 79.67,61.54 79.02,61.54 78.65,61.16 v1(77.73,61.16) 77.04,61.85 R2#8.2 ; v1(36.53,14.27) 36.27,14.53 34.18,14.53 33.95,14.3 33.3,14.3 32.93,13.92 v1(32.01,13.92) 31.32,14.61 R2#6.2 ; J1#19.B5 15.82,53.75 15.74,53.83 15.74,54.36 15.21,54.36 14.64,54.94 14.64,59.8 14.99,60.15 v1(15.75,60.15) ; J1#4.B5 84.4,77.37 84.32,77.46 84.32,77.99 83.79,77.99 83.22,78.56 83.22,83.42 83.57,83.77 v1(84.33,83.77) ; v1(93.87,64.23) 93.87,63.23 U1#11.3
  Bottom w0.127: v1(15.75,36.53) 15.74,36.52 14.31,36.52 13.67,37.16 v1(13.67,37.9) ; v1(100.59,84.78) 99.26,86.11 95.61,86.11 v1(93.87,87.85) ; v1(48.15,111.47) 49.89,109.73 53.54,109.73 v1(54.87,108.41) ; v1(84.33,107.39) 84.32,107.39 82.89,107.39 82.25,108.03 v1(82.25,108.76) ; v1(32.01,84.78) 30.68,86.11 27.03,86.11 v1(25.29,87.85) ; v1(61.47,60.15) 61.46,60.14 60.03,60.14 59.39,60.79 v1(59.39,61.52) ; v1(107.19,107.39) 107.18,107.39 105.75,107.39 105.11,108.03 v1(105.11,108.76) ; v1(54.87,13.92) 53.54,15.25 49.89,15.25 v1(48.15,16.99) ; v1(100.59,61.16) 99.26,62.49 95.61,62.49 v1(93.87,64.23) ; v1(36.53,85.14) 36.53,84.41 37.17,83.76 38.6,83.76 v1(38.61,83.77) ; v1(48.15,87.85) 49.89,86.11 53.54,86.11 v1(54.87,84.78) ; v1(48.15,40.61) 49.89,38.87 53.54,38.87 v1(54.87,37.54) ; v1(13.67,85.14) 13.67,84.41 14.31,83.76 15.74,83.76 v1(15.75,83.77) ; v1(84.33,12.9) 84.32,12.9 82.89,12.9 82.25,13.54 v1(82.25,14.27) ; v1(107.19,12.9) 107.18,12.9 105.75,12.9 105.11,13.54 v1(105.11,14.27) ; v1(61.47,83.77) 61.46,83.76 60.03,83.76 59.39,84.41 v1(59.39,85.14) ; v1(54.87,61.16) 53.54,62.49 49.89,62.49 v1(48.15,64.23) ; v1(2.43,64.23) 4.17,62.49 7.82,62.49 v1(9.15,61.16) ; v1(15.75,12.9) 15.74,12.9 14.31,12.9 13.67,13.54 v1(13.67,14.27) ; v1(25.29,64.23) 27.03,62.49 30.68,62.49 v1(32.01,61.16) ; v1(38.61,12.9) 38.6,12.9 37.17,12.9 36.53,13.54 v1(36.53,14.27) ; v1(100.59,37.54) 99.26,38.87 95.61,38.87 v1(93.87,40.61) ; v1(100.59,13.92) 99.26,15.25 95.61,15.25 v1(93.87,16.99) ; v1(105.11,85.14) 105.11,84.41 105.75,83.76 107.18,83.76 v1(107.19,83.77) ; v1(84.33,36.53) 84.32,36.52 82.89,36.52 82.25,37.16 v1(82.25,37.9) ; v1(15.75,60.15) 15.74,60.14 14.31,60.14 13.67,60.79 v1(13.67,61.52) ; v1(77.73,13.92) 76.4,15.25 72.75,15.25 v1(71.01,16.99) ; v1(84.33,60.15) 84.32,60.14 82.89,60.14 82.25,60.79 v1(82.25,61.52) ; v1(9.15,108.41) 7.82,109.73 4.17,109.73 v1(2.43,111.47) ; v1(38.61,107.39) 38.6,107.39 37.17,107.39 36.53,108.03 v1(36.53,108.76) ; v1(9.15,13.92) 7.82,15.25 4.17,15.25 v1(2.43,16.99) ; v1(61.47,107.39) 61.46,107.39 60.03,107.39 59.39,108.03 v1(59.39,108.76) ; v1(9.15,84.78) 7.82,86.11 4.17,86.11 v1(2.43,87.85) ; v1(38.61,36.53) 38.6,36.52 37.17,36.52 36.53,37.16 v1(36.53,37.9) ; v1(2.43,40.61) 4.17,38.87 7.82,38.87 v1(9.15,37.54) ; v1(105.11,61.52) 105.11,60.79 105.75,60.14 107.18,60.14 v1(107.19,60.15) ; v1(61.47,36.53) 61.46,36.52 60.03,36.52 59.39,37.16 v1(59.39,37.9) ; v1(25.29,111.47) 27.03,109.73 30.68,109.73 v1(32.01,108.41) ; v1(25.29,40.61) 27.03,38.87 30.68,38.87 v1(32.01,37.54) ; v1(77.73,61.16) 76.4,62.49 72.75,62.49 v1(71.01,64.23) ; v1(105.11,37.9) 105.11,37.16 105.75,36.52 107.18,36.52 v1(107.19,36.53) ; v1(93.87,111.47) 95.61,109.73 99.26,109.73 v1(100.59,108.41) ; v1(25.29,16.99) 27.03,15.25 30.68,15.25 v1(32.01,13.92) ; v1(71.01,40.61) 72.75,38.87 76.4,38.87 v1(77.73,37.54) ; v1(82.25,85.14) 82.25,84.41 82.89,83.76 84.32,83.76 v1(84.33,83.77) ; v1(15.75,107.39) 15.74,107.39 14.31,107.39 13.67,108.03 v1(13.67,108.76) ; v1(71.01,87.85) 72.75,86.11 76.4,86.11 v1(77.73,84.78) ; v1(77.73,108.41) 76.4,109.73 72.75,109.73 v1(71.01,111.47) ; v1(59.39,14.27) 59.39,13.54 60.03,12.9 61.46,12.9 v1(61.47,12.9) ; v1(38.61,60.15) 38.6,60.14 37.17,60.14 36.53,60.79 v1(36.53,61.52)
DM: length 268.4
  Top w0.127: v1(25.75,114.83) 25.77,114.85 25.77,114.86 25.82,114.91 U1#24.17 ; R4#8.2 99.43,91.41 98.26,90.24 v1(98.26,90.01) ; v1(25.75,43.96) 25.77,43.99 25.77,43.99 25.82,44.04 U1#23.17 ; v1(25.75,20.34) 25.77,20.37 25.77,20.37 25.82,20.42 U1#19.17 ; v1(94.33,67.59) 94.35,67.61 94.35,67.62 94.4,67.66 U1#11.17 ; v1(29.68,90.01) 29.68,90.24 30.85,91.41 R4#23.2 ; v1(6.82,42.76) 6.82,42.99 7.99,44.17 R4#9.2 ; R4#13.2 30.85,67.79 29.68,66.62 v1(29.68,66.39) ; v1(29.68,19.14) 29.68,19.37 30.85,20.55 R4#14.2 ; v1(71.47,67.59) 71.49,67.61 71.49,67.62 71.54,67.66 U1#3.17 ; v1(52.54,42.76) 52.54,42.99 53.71,44.17 R4#21.2 ; v1(52.54,90.01) 52.54,90.24 53.71,91.41 R4#15.2 ; U1#9.17 48.68,20.42 48.63,20.37 48.63,20.37 v1(48.61,20.34) ; U1#15.17 2.96,20.42 2.91,20.37 2.91,20.37 v1(2.89,20.34) ; U1#8.17 2.96,44.04 2.91,43.99 2.91,43.99 v1(2.89,43.96) ; v1(29.68,113.63) 29.68,113.86 30.85,115.04 R4.2 ; v1(25.75,67.59) 25.77,67.61 25.77,67.62 25.82,67.66 U1#14.17 ; R4#2.2 53.71,115.04 52.54,113.86 v1(52.54,113.63) ; U1#10.17 48.68,91.29 48.63,91.24 48.63,91.23 v1(48.61,91.21) ; R4#10.2 99.43,20.55 98.26,19.37 v1(98.26,19.14) ; v1(75.4,90.01) 75.4,90.24 76.57,91.41 R4#4.2 ; U1#22.17 48.68,44.04 48.63,43.99 48.63,43.99 v1(48.61,43.96) ; R4#17.2 99.43,67.79 98.26,66.62 v1(98.26,66.39) ; U1#12.17 94.4,44.04 94.35,43.99 94.35,43.99 v1(94.33,43.96) ; v1(6.82,19.14) 6.82,19.37 7.99,20.55 R4#12.2 ; v1(71.47,43.96) 71.49,43.99 71.49,43.99 71.54,44.04 U1#17.17 ; v1(71.47,114.83) 71.49,114.85 71.49,114.86 71.54,114.91 U1#16.17 ; R4#3.2 7.99,67.79 6.82,66.62 v1(6.82,66.39) ; R4#7.2 76.57,67.79 75.4,66.62 v1(75.4,66.39) ; U1#20.17 2.96,114.91 2.91,114.86 2.91,114.85 v1(2.89,114.83) ; R4#6.2 99.43,115.04 98.26,113.86 v1(98.26,113.63) ; U1#18.17 71.54,91.29 71.49,91.24 71.49,91.23 v1(71.47,91.21) ; v1(52.54,19.14) 52.54,19.37 53.71,20.55 R4#16.2 ; U1#5.17 94.4,91.29 94.35,91.24 94.35,91.23 v1(94.33,91.21) ; U1#7.17 2.96,91.29 2.91,91.24 2.91,91.23 v1(2.89,91.21) ; v1(75.4,19.14) 75.4,19.37 76.57,20.55 R4#24.2 ; R4#18.2 7.99,115.04 6.82,113.86 v1(6.82,113.63) ; v1(48.61,67.59) 48.63,67.61 48.63,67.62 48.68,67.66 U1#25.17 ; R4#5.2 30.85,44.17 29.68,42.99 v1(29.68,42.76) ; v1(71.47,20.34) 71.49,20.37 71.49,20.37 71.54,20.42 U1#2.17 ; R4#11.2 53.71,67.79 52.54,66.62 v1(52.54,66.39) ; U1#4.17 94.4,20.42 94.35,20.37 94.35,20.37 v1(94.33,20.34) ; v1(98.26,42.76) 98.26,42.99 99.43,44.17 R4#19.2 ; v1(2.89,67.59) 2.91,67.61 2.91,67.62 2.96,67.66 U1#6.17 ; v1(6.82,90.01) 6.82,90.24 7.99,91.41 R4#20.2 ; v1(94.33,114.83) 94.35,114.85 94.35,114.86 94.4,114.91 U1#13.17 ; v1(75.4,42.76) 75.4,42.99 76.57,44.17 R4#25.2 ; R4#22.2 76.57,115.04 75.4,113.86 v1(75.4,113.63) ; U1.17 25.82,91.29 25.77,91.24 25.77,91.23 v1(25.75,91.21) ; v1(48.61,114.83) 48.63,114.85 48.63,114.86 48.68,114.91 U1#21.17